# KiCad board IMXDesign.kicad_pcb (continued)
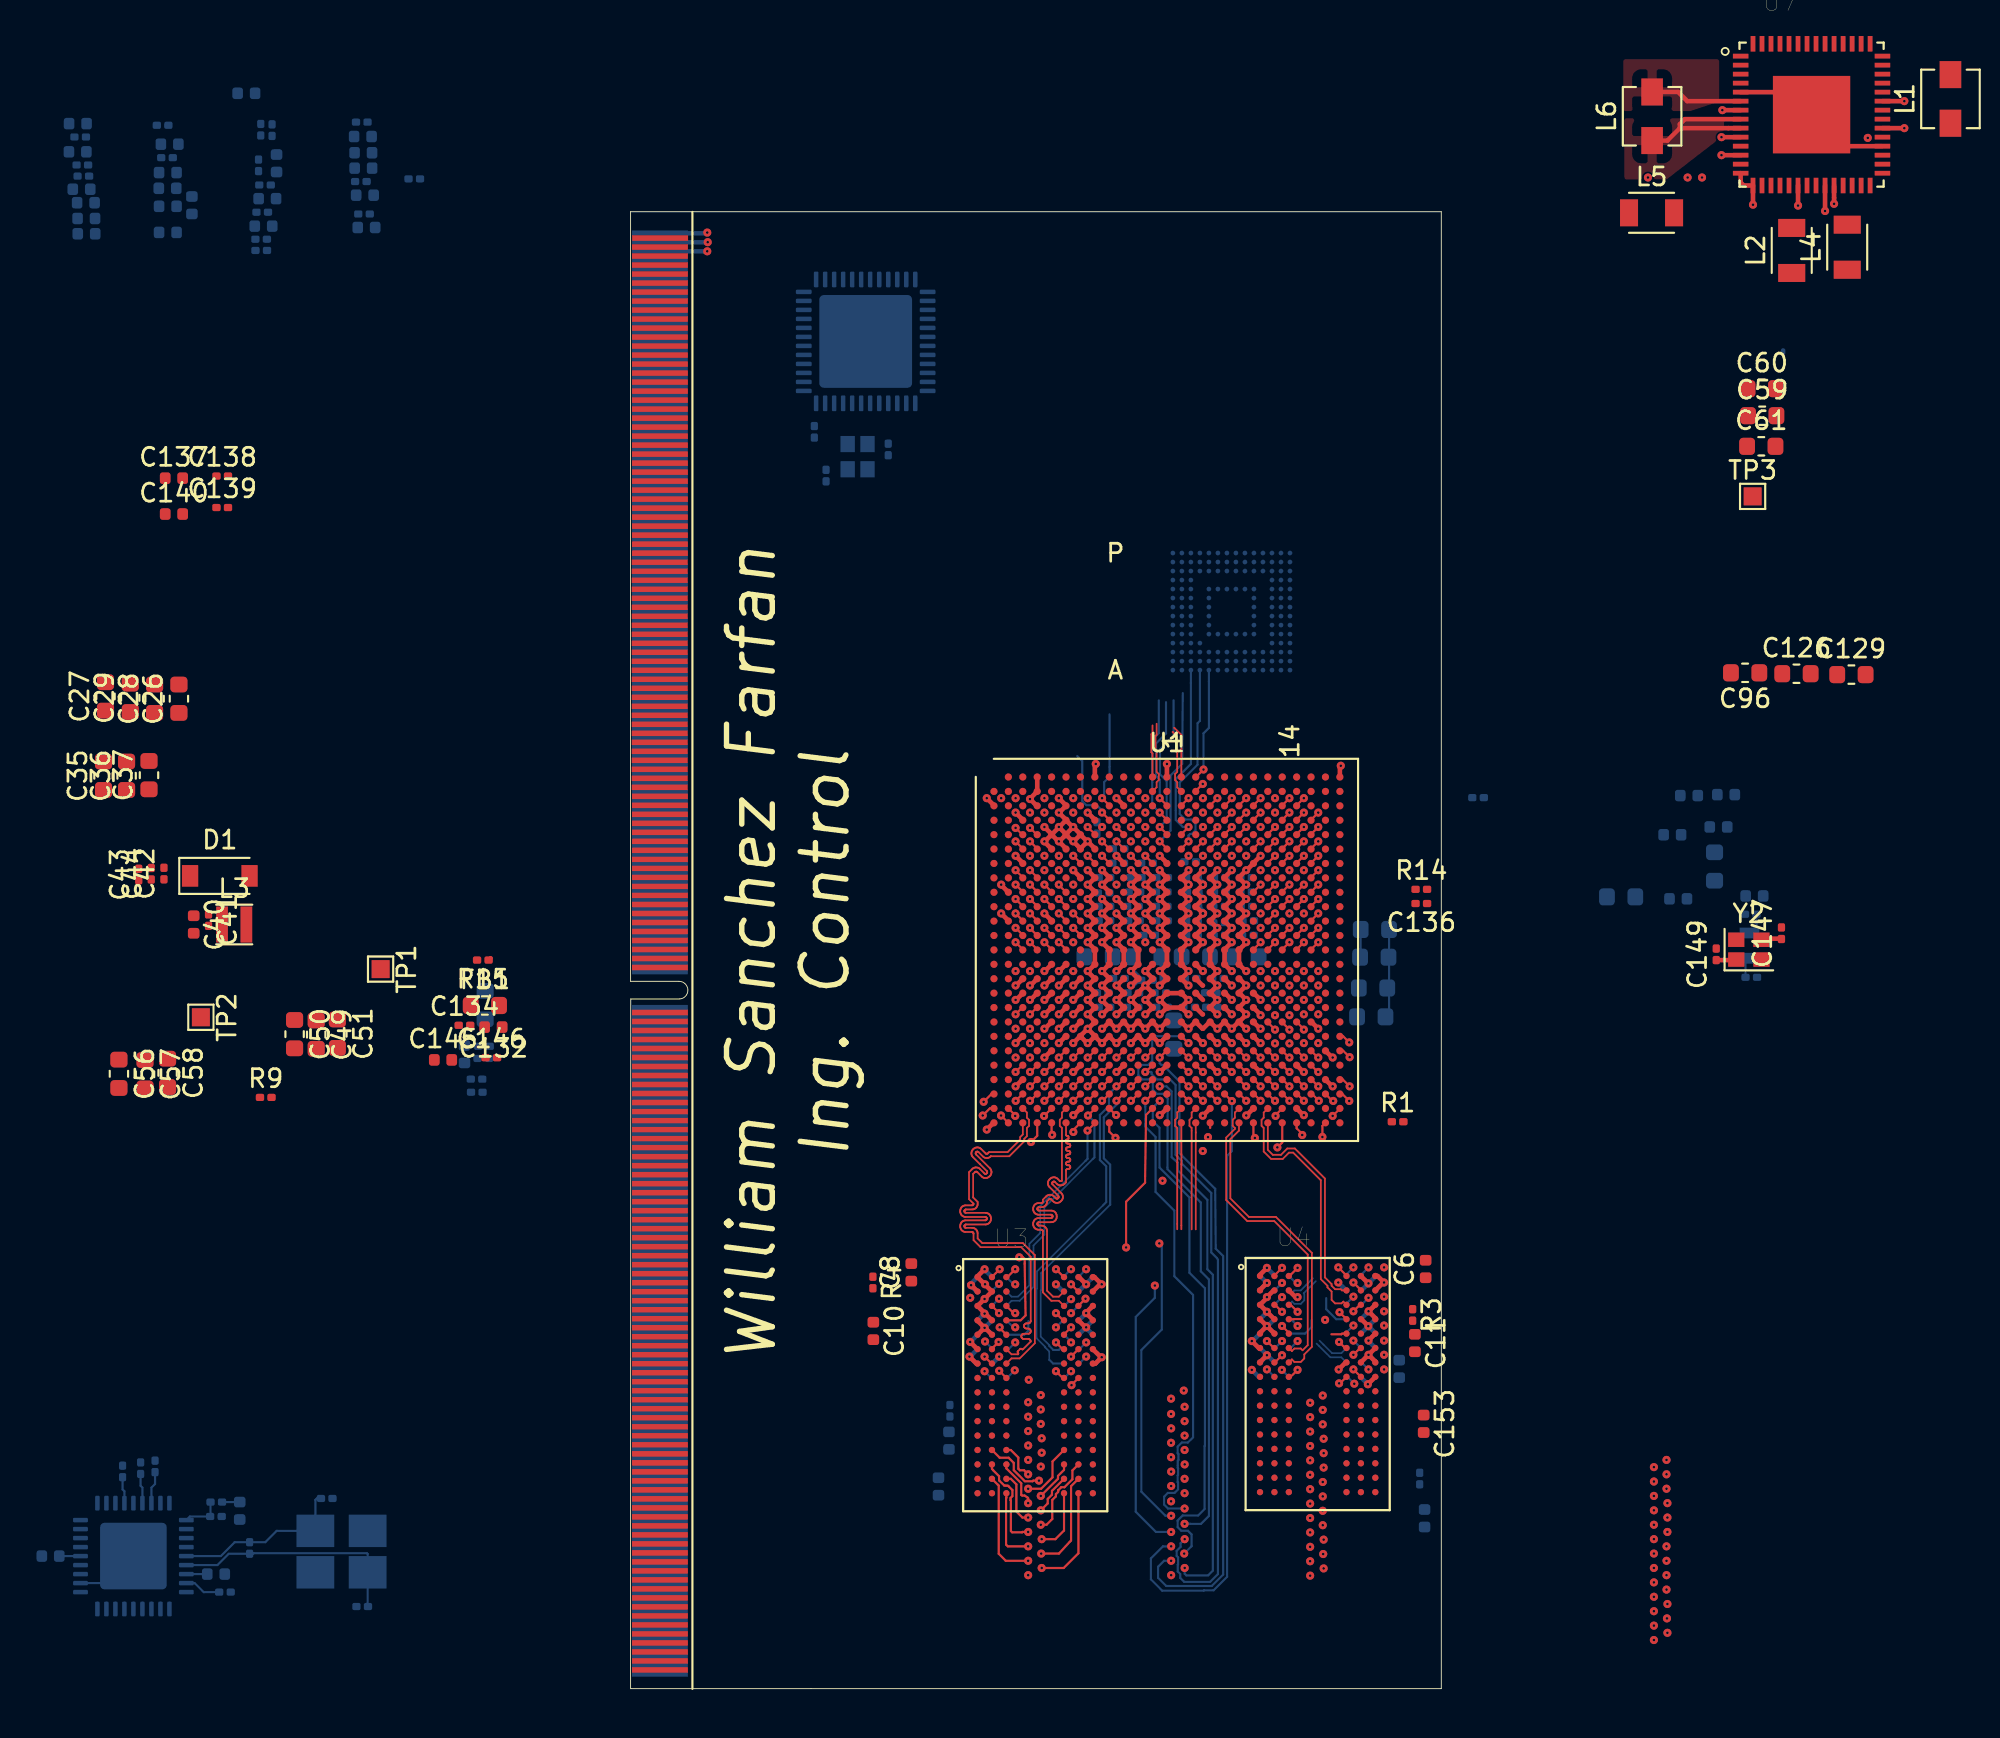
[diagram p0: board, top side]
## Routing (per net, layer and track width the routed paths; a pad name or vN(x,y) marks a point on that pad's centre or on a via; arc(x,y) is an arc through that point) (continued)
  Bottom w0.114: 40.54,21.31 40.54,21.34
  Bottom w0.119: 40.54,21.34 40.54,21.31 40.57,21.31 v1(40.96,21.7)
/DDR3_Memory/CPU_DDR3/DRAM_D56: length 26.9
  Top w0.119: U1.AB25 39.53,33.81 v1(39.91,33.44)
  In2.Cu w0.114: 39.91,33.53 v1(39.91,33.44) 39.91,33.81 39.17,34.55 38.89,34.55 38.59,34.86 38.59,35.19 38.35,35.42 37.99,35.42 37.79,35.22 37.79,32.49 37.88,32.4 37.88,30.97 37.87,30.96 37.87,30.95 37.86,30.94 37.86,30.94 37.85,30.93 37.84,30.93 37.81,30.92 37.8,30.92 37.79,30.91 37.79,30.91 37.78,30.9 37.78,30.89 37.78,30.88 37.78,30.68 37.78,30.66 37.78,30.65 37.79,30.64 37.79,30.64 37.8,30.63 37.81,30.63 37.83,30.62 37.92,30.62 37.94,30.62 37.95,30.62 37.96,30.61 37.96,30.61 37.97,30.6 37.97,30.59 37.97,30.57 37.97,30.38 37.97,30.36 37.97,30.35 37.96,30.34 37.96,30.34 37.95,30.33 37.94,30.33 37.92,30.32 37.83,30.32 37.81,30.32 37.8,30.32 37.79,30.31 37.79,30.31 37.78,30.3 37.78,30.29 37.78,30.28 37.78,30.07 37.78,30.06 37.78,30.05 37.79,30.04 37.79,30.04 37.8,30.03 37.81,30.03 37.83,30.03 37.92,30.03 37.94,30.02 37.95,30.02 37.96,30.01 37.96,30.01 37.97,30 37.97,29.99 37.97,29.97 37.97,29.78 37.97,29.76 37.97,29.75 37.96,29.74 37.96,29.74 37.95,29.73 37.94,29.73 37.92,29.72 37.83,29.72 37.81,29.72 37.8,29.72 37.79,29.71 37.79,29.71 37.78,29.7 37.78,29.69 37.78,29.68 37.78,29.47 37.78,29.46 37.78,29.45 37.79,29.44 37.79,29.44 37.8,29.43 37.81,29.43 37.83,29.43 37.92,29.43 37.94,29.42 37.95,29.42 37.96,29.41 37.96,29.41 37.97,29.4 37.97,29.39 37.97,29.38 37.97,29.18 37.97,29.16 37.97,29.15 37.96,29.14 37.96,29.14 37.95,29.13 37.94,29.13 37.92,29.12 37.83,29.12 37.81,29.12 37.8,29.12 37.79,29.11 37.79,29.11 37.78,29.1 37.78,29.09 37.78,29.07 37.78,28.88 37.78,28.86 37.78,28.85 37.79,28.84 37.79,28.84 37.8,28.83 37.81,28.83 37.83,28.82 37.92,28.82 37.94,28.82 37.95,28.82 37.96,28.81 37.96,28.81 37.97,28.8 37.97,28.79 37.97,28.78 37.97,28.57 37.97,28.56 37.97,28.55 37.96,28.54 37.96,28.54 37.95,28.53 37.94,28.53 37.92,28.53 37.83,28.53 37.81,28.52 37.8,28.52 37.79,28.51 37.79,28.51 37.78,28.5 37.78,28.49 37.78,28.47 37.78,28.28 37.78,28.26 37.78,28.25 37.79,28.24 37.79,28.24 37.8,28.23 37.81,28.23 37.83,28.22 37.92,28.22 37.94,28.22 37.95,28.22 37.96,28.21 37.96,28.21 37.97,28.2 37.97,28.19 37.97,28.18 37.97,27.97 37.97,27.96 37.97,27.95 37.96,27.94 37.96,27.94 37.95,27.93 37.94,27.93 37.92,27.93 37.83,27.93 37.81,27.92 37.8,27.92 37.79,27.91 37.79,27.91 37.78,27.9 37.78,27.89 37.78,27.88 37.78,27.68 37.78,27.66 37.78,27.65 37.79,27.64 37.79,27.64 37.8,27.63 37.81,27.63 37.83,27.62 37.92,27.62 37.94,27.62 37.95,27.62 37.96,27.61 37.96,27.61 37.97,27.6 37.97,27.59 37.97,27.57 37.97,27.38 37.97,27.36 37.97,27.35 37.96,27.34 37.96,27.34 37.95,27.33 37.94,27.33 37.92,27.32 37.83,27.32 37.81,27.32 37.8,27.32 37.79,27.31 37.79,27.31 37.78,27.3 37.78,27.29 37.78,27.28 37.78,27.07 37.78,27.06 37.78,27.05 37.79,27.04 37.79,27.04 37.8,27.03 37.81,27.03 37.83,27.03 37.92,27.03 37.94,27.02 37.95,27.02 37.96,27.01 37.96,27.01 37.97,27 37.97,26.99 37.97,26.97 37.97,26.78 37.97,26.76 37.97,26.75 37.96,26.74 37.96,26.74 37.95,26.73 37.94,26.73 37.91,26.72 37.9,26.72 37.89,26.71 37.89,26.71 37.88,26.7 37.88,26.69 37.88,26.68 37.88,26.12 38.05,25.95 38.07,25.93 38.08,25.91 38.08,25.88 38.08,25.86 38.08,25.83 38.07,25.81 38.05,25.79 38.03,25.77 38.02,25.75 38.01,25.73 38,25.71 38,25.68 38.01,25.65 38.02,25.63 38.03,25.61 38.05,25.6 38.08,25.58 38.1,25.58 38.13,25.58 38.15,25.58 38.18,25.6 38.2,25.61 38.36,25.78 38.38,25.79 38.4,25.8 38.42,25.81 38.45,25.81 38.47,25.8 38.49,25.79 38.5,25.78 38.52,25.76 38.54,25.74 38.55,25.72 38.55,25.7 38.55,25.68 38.55,25.65 38.54,25.63 38.52,25.62 38.36,25.45 38.34,25.43 38.33,25.41 38.33,25.38 38.33,25.36 38.33,25.33 38.34,25.31 38.36,25.29 38.38,25.27 38.4,25.26 38.43,25.26 38.45,25.26 38.48,25.26 38.5,25.27 38.52,25.29 38.67,25.44 38.68,25.45 38.7,25.46 38.71,25.46 38.73,25.46 38.75,25.46 38.76,25.45 38.77,25.44 38.83,25.38 38.84,25.37 38.85,25.35 38.85,25.34 38.85,25.32 38.85,25.3 38.84,25.29 38.83,25.28 38.68,25.13 38.67,25.11 38.65,25.08 38.65,25.06 38.65,25.03 38.65,25.01 38.67,24.99 38.68,24.97 38.7,24.95 38.72,24.94 38.75,24.93 38.78,24.93 38.8,24.94 38.82,24.95 38.84,24.97 38.99,25.11 39.01,25.12 39.02,25.13 39.04,25.14 39.05,25.14 39.07,25.13 39.08,25.12 39.1,25.11 39.15,25.06 39.16,25.05 39.17,25.03 39.18,25.01 39.18,25 39.17,24.98 39.16,24.97 39.15,24.95 39,24.8 38.99,24.78 38.98,24.76 38.97,24.74 38.97,24.71 38.98,24.68 38.99,24.66 39,24.64 39.02,24.63 39.05,24.61 39.07,24.61 39.1,24.61 39.12,24.61 39.15,24.63 39.17,24.64 39.18,24.66 39.2,24.67 39.22,24.68 39.25,24.69 39.28,24.69 39.3,24.68 39.32,24.67 39.34,24.66 39.66,24.34 39.66,23.28 39.94,23.01 40.23,23.01 40.5,22.73 40.5,22.37 40.3,22.17 39.94,22.17 39.74,21.96 39.74,21.58 39.94,21.38 40.26,21.38 40.5,21.13 40.5,20.68 40.35,20.53 40.35,20.39 v1(40.12,20.16)
  Bottom w0.119: 39.64,19.71 39.74,19.71 39.73,19.71 ; v1(40.12,20.16) 39.74,19.78 U5.E3
/DDR3_Memory/CPU_DDR3/DRAM_D57: length 26.2
  Top w0.119: v1(36.57,34.24) 36.55,34.24 U1.AA21
  In2.Cu w0.114: v1(36.15,17.7) 35.7,18.15 35.7,20.32 35.48,20.54 35.14,20.54 32.81,22.87 32.81,31.52 32.99,31.7 32.99,32.81 33.19,33.01 33.54,33.01 33.79,33.26 33.79,33.66 33.99,33.86 34.35,33.86 34.59,34.09 34.59,35.22 34.79,35.42 35.17,35.42 35.39,35.64 35.39,36.01 35.59,36.21 35.99,36.21 36.19,36.01 36.19,35.64 36.41,35.42 36.75,35.42 36.95,35.22 36.95,34.62 v1(36.57,34.24)
  Bottom w0.114: v1(36.15,17.7) 36.15,17.7 U5.H7 ; 36.54,17.31 36.64,17.31
/DDR3_Memory/CPU_DDR3/DRAM_D58: length 26.1
  Top w0.114: v1(39.91,35.06) 39.56,35.41 U1.Y25
  In2.Cu w0.114: 43.32,19.65 43.32,19.47 42.01,18.15 41.68,18.15 41.44,17.92 41.44,17.64 41.14,17.34 40.58,17.34 v1(40.17,16.93) ; 43.35,24.17 43.35,24.58 41.05,26.88 41.05,29.32 41.53,29.8 41.53,33.85 40.31,35.06 v1(39.91,35.06)
  In2.Cu w0.119: 43.35,24.17 43.34,23.22 43.35,23.19 43.36,23.16 43.38,23.13 43.4,23.11 43.43,23.09 43.46,23.08 43.52,23.07 43.56,23.06 43.58,23.04 43.61,23.02 43.62,22.99 43.63,22.96 43.64,22.93 43.64,22.77 43.63,22.74 43.62,22.71 43.6,22.68 43.58,22.66 43.55,22.64 43.52,22.63 43.49,22.62 43.22,22.63 43.19,22.62 43.17,22.61 43.14,22.6 43.12,22.58 43.11,22.56 43.1,22.53 43.1,22.5 43.09,22.3 43.1,22.27 43.11,22.25 43.12,22.22 43.14,22.2 43.16,22.19 43.19,22.18 43.22,22.18 43.49,22.17 43.52,22.17 43.55,22.16 43.58,22.14 43.6,22.12 43.62,22.09 43.63,22.06 43.63,22.03 43.63,21.87 43.63,21.84 43.62,21.81 43.6,21.78 43.58,21.76 43.55,21.74 43.52,21.73 43.48,21.72 43.24,21.73 43.22,21.72 43.2,21.72 43.18,21.71 43.16,21.69 43.15,21.67 43.14,21.65 43.14,21.63 43.14,21.37 43.14,21.35 43.15,21.33 43.16,21.31 43.18,21.3 43.19,21.29 43.21,21.28 43.24,21.28 43.48,21.27 43.51,21.27 43.55,21.26 43.57,21.24 43.6,21.22 43.61,21.19 43.62,21.16 43.63,21.13 43.63,20.97 43.62,20.94 43.61,20.91 43.59,20.88 43.57,20.86 43.54,20.84 43.51,20.83 43.48,20.82 43.23,20.83 43.21,20.82 43.19,20.82 43.17,20.81 43.16,20.79 43.15,20.77 43.14,20.75 43.14,20.73 43.13,20.47 43.14,20.45 43.14,20.43 43.16,20.41 43.17,20.4 43.19,20.39 43.21,20.38 43.23,20.38 43.33,20.38 43.33,20.37 43.48,20.37 43.51,20.37 43.54,20.36 43.57,20.34 43.59,20.32 43.61,20.29 43.62,20.26 43.62,20.22 43.62,20.07 43.62,20.04 43.61,20.01 43.59,19.98 43.57,19.95 43.54,19.94 43.51,19.93 43.44,19.92 43.41,19.91 43.38,19.89 43.36,19.87 43.34,19.84 43.33,19.81 43.33,19.78 43.32,19.65
  Bottom w0.119: v1(40.17,16.93) 39.79,17.31 39.69,17.31
/DDR3_Memory/CPU_DDR3/DRAM_D59: length 27.2
  Top w0.119: v1(35.32,17.72) 35.35,17.72 ; U1.Y22 37,35.41 v1(37.37,35.04)
  In2.Cu w0.114: v1(35.32,17.72) 34.94,18.11 34.94,19.41 34.67,19.67 34.67,20.47 32.4,22.75 32.42,31.05 32.19,31.29 32.19,32.82 32.41,33.05 32.53,33.05 32.85,33.02 32.95,33.13 32.95,33.62 33.15,33.82 33.52,33.82 33.79,34.09 33.79,35.22 33.99,35.42 34.32,35.42 34.55,35.66 34.55,36.02 34.75,36.22 35.12,36.22 35.35,36.46 35.35,36.74 35.59,36.97 35.95,36.97 36.15,36.77 36.15,36.41 36.35,36.21 36.75,36.21 36.95,36.01 36.95,35.64 37.37,35.22 v1(37.37,35.04) 37.37,35.11
  Bottom w0.114: v1(35.32,17.72) 35.73,17.31 35.74,17.31
/DDR3_Memory/CPU_DDR3/DRAM_D60: length 26
  Top w0.119: U1.AB23 37.8,33.81 v1(38.17,33.44)
  In2.Cu w0.114: v1(38.17,33.44) 38.17,33.24 38.59,32.82 38.59,31.46 38.78,31.27 38.78,31.01 38.79,30.97 38.8,30.94 38.81,30.91 38.84,30.89 38.87,30.87 38.9,30.86 38.93,30.86 38.97,30.86 39,30.85 39.04,30.84 39.06,30.82 39.09,30.8 39.11,30.77 39.12,30.74 39.12,30.71 39.12,30.67 39.11,30.64 39.09,30.61 39.06,30.59 39.04,30.57 39,30.56 38.97,30.56 38.93,30.56 38.9,30.55 38.87,30.54 38.84,30.52 38.81,30.5 38.8,30.47 38.79,30.44 38.78,30.41 38.78,29.83 38.75,29.8 38.75,29.77 38.74,29.73 38.72,29.71 38.69,29.68 38.67,29.66 38.63,29.65 38.6,29.65 38.56,29.65 38.53,29.65 38.5,29.64 38.47,29.62 38.44,29.59 38.43,29.57 38.42,29.53 38.41,29.5 38.42,29.47 38.43,29.43 38.44,29.41 38.47,29.38 38.5,29.36 38.53,29.35 38.56,29.35 38.94,29.35 38.97,29.35 39,29.34 39.03,29.32 39.06,29.29 39.07,29.27 39.08,29.23 39.09,29.2 39.08,29.17 39.07,29.13 39.06,29.11 39.03,29.08 39,29.06 38.97,29.05 38.94,29.05 38.56,29.05 38.53,29.05 38.5,29.04 38.47,29.02 38.44,28.99 38.43,28.97 38.42,28.93 38.41,28.9 38.42,28.87 38.43,28.83 38.44,28.81 38.47,28.78 38.5,28.76 38.53,28.75 38.56,28.75 38.8,28.75 38.81,28.75 38.82,28.75 38.83,28.74 38.84,28.73 38.85,28.72 38.85,28.71 38.85,28.7 38.85,28.5 38.85,28.49 38.85,28.48 38.84,28.47 38.83,28.46 38.82,28.45 38.81,28.45 38.8,28.45 38.56,28.45 38.53,28.45 38.5,28.44 38.47,28.42 38.44,28.39 38.43,28.37 38.42,28.33 38.41,28.3 38.42,28.27 38.43,28.23 38.44,28.21 38.47,28.18 38.5,28.16 38.53,28.15 38.56,28.15 38.8,28.15 38.81,28.15 38.82,28.15 38.83,28.14 38.84,28.13 38.85,28.12 38.85,28.11 38.85,28.1 38.85,27.9 38.85,27.89 38.85,27.88 38.84,27.87 38.83,27.86 38.82,27.85 38.81,27.85 38.8,27.85 38.56,27.85 38.53,27.85 38.5,27.84 38.47,27.82 38.44,27.79 38.43,27.77 38.42,27.73 38.41,27.7 38.42,27.67 38.43,27.63 38.44,27.61 38.47,27.58 38.5,27.56 38.53,27.55 38.56,27.55 38.8,27.55 38.81,27.55 38.82,27.55 38.83,27.54 38.84,27.53 38.85,27.52 38.85,27.51 38.85,27.5 38.85,27.3 38.85,27.29 38.85,27.28 38.84,27.27 38.83,27.26 38.82,27.25 38.81,27.25 38.8,27.25 38.56,27.25 38.53,27.25 38.5,27.24 38.47,27.22 38.44,27.19 38.43,27.17 38.42,27.13 38.41,27.1 38.42,27.07 38.43,27.03 38.44,27.01 38.47,26.98 38.5,26.96 38.53,26.95 38.56,26.95 38.8,26.95 38.81,26.95 38.82,26.95 38.83,26.94 38.84,26.93 38.85,26.92 38.85,26.91 38.85,26.9 38.85,26.7 38.85,26.69 38.85,26.68 38.84,26.67 38.83,26.66 38.82,26.65 38.81,26.65 38.8,26.65 38.56,26.65 38.53,26.65 38.5,26.64 38.47,26.62 38.44,26.59 38.43,26.57 38.42,26.53 38.41,26.5 38.42,26.47 38.43,26.43 38.44,26.41 38.47,26.38 38.5,26.36 38.53,26.35 38.56,26.35 38.6,26.35 38.63,26.35 38.67,26.34 38.69,26.32 38.72,26.29 38.74,26.27 38.75,26.23 38.75,26.2 38.75,25.8 40.5,24.05 40.5,23.27 40.89,22.88 41.14,22.88 41.34,22.68 41.34,20.77 41.08,20.51 40.77,20.51 40.57,20.31 40.57,20.04 40.29,19.77 40,19.77 39.91,19.68 36.54,19.68 v1(36.16,19.3)
  Bottom w0.114: 35.74,18.91 35.77,18.91 v1(36.16,19.3)
  Bottom w0.119: 35.74,18.91 35.76,18.91
/DDR3_Memory/CPU_DDR3/DRAM_D61: length 26.7
  Top w0.119: v1(38.17,34.24) 38.14,34.24 U1.AA23
  In2.Cu w0.114: v1(38.17,34.24) 38.17,33.93 38.28,33.82 38.35,33.82 38.59,33.59 38.59,33.26 38.83,33.01 39.18,33.01 39.42,32.77 39.42,32.2 39.65,31.97 39.65,31.2 39.65,31.19 39.65,31.18 39.66,31.17 39.67,31.16 39.68,31.15 39.69,31.15 39.71,31.15 39.72,31.15 39.73,31.14 39.74,31.13 39.75,31.12 39.75,31.11 39.75,31.1 39.75,30.75 39.75,30.74 39.75,30.73 39.74,30.72 39.73,30.71 39.72,30.7 39.71,30.7 39.7,30.7 39.6,30.7 39.59,30.7 39.58,30.7 39.57,30.69 39.56,30.68 39.55,30.67 39.55,30.66 39.55,30.65 39.55,30.3 39.55,30.29 39.55,30.28 39.56,30.27 39.57,30.26 39.58,30.25 39.59,30.25 39.6,30.25 39.7,30.25 39.71,30.25 39.72,30.25 39.73,30.24 39.74,30.23 39.75,30.22 39.75,30.21 39.75,30.2 39.75,29.85 39.75,29.84 39.75,29.83 39.74,29.82 39.73,29.81 39.72,29.8 39.71,29.8 39.69,29.8 39.68,29.8 39.67,29.79 39.66,29.78 39.65,29.77 39.65,29.76 39.65,29.75 39.65,29.52 39.4,29.27 39.4,28.84 39.4,28.82 39.41,28.81 39.42,28.79 39.43,28.78 39.44,28.77 39.46,28.77 39.49,28.76 39.51,28.76 39.52,28.75 39.53,28.74 39.54,28.72 39.55,28.71 39.55,28.69 39.55,28.61 39.55,28.59 39.54,28.58 39.53,28.56 39.52,28.55 39.51,28.54 39.49,28.54 39.47,28.54 39.21,28.54 39.19,28.53 39.16,28.52 39.14,28.51 39.12,28.49 39.11,28.47 39.1,28.45 39.1,28.42 39.1,28.4 39.11,28.37 39.12,28.35 39.14,28.33 39.16,28.32 39.19,28.31 39.21,28.31 39.47,28.31 39.49,28.31 39.51,28.3 39.52,28.29 39.53,28.28 39.54,28.26 39.55,28.25 39.55,28.23 39.55,28.15 39.55,28.14 39.54,28.12 39.53,28.11 39.52,28.1 39.51,28.09 39.49,28.08 39.47,28.08 39.21,28.08 39.19,28.08 39.16,28.07 39.14,28.05 39.12,28.04 39.11,28.01 39.1,27.99 39.1,27.96 39.1,27.94 39.11,27.91 39.12,27.89 39.14,27.88 39.16,27.86 39.19,27.85 39.21,27.85 39.47,27.85 39.49,27.85 39.51,27.84 39.52,27.83 39.53,27.82 39.54,27.81 39.55,27.79 39.55,27.78 39.55,27.7 39.55,27.68 39.54,27.66 39.53,27.65 39.52,27.64 39.51,27.63 39.49,27.62 39.47,27.62 39.21,27.62 39.19,27.62 39.16,27.61 39.14,27.6 39.12,27.58 39.11,27.56 39.1,27.53 39.1,27.51 39.1,27.48 39.11,27.46 39.12,27.44 39.14,27.42 39.16,27.4 39.19,27.4 39.21,27.39 39.47,27.39 39.49,27.39 39.51,27.39 39.52,27.38 39.53,27.36 39.54,27.35 39.55,27.33 39.55,27.32 39.55,27.24 39.55,27.22 39.54,27.21 39.53,27.19 39.52,27.18 39.51,27.17 39.49,27.17 39.47,27.16 39.16,27.16 39.14,27.16 39.11,27.15 39.09,27.14 39.07,27.12 39.06,27.1 39.05,27.08 39.05,27.05 39.05,27.02 39.06,27 39.07,26.98 39.09,26.96 39.11,26.95 39.14,26.94 39.16,26.94 39.47,26.94 39.49,26.93 39.51,26.93 39.52,26.92 39.53,26.91 39.54,26.89 39.55,26.88 39.55,26.86 39.55,26.78 39.55,26.77 39.54,26.75 39.53,26.74 39.52,26.72 39.51,26.71 39.49,26.71 39.47,26.71 39.16,26.71 39.14,26.7 39.11,26.7 39.09,26.68 39.07,26.66 39.06,26.64 39.05,26.62 39.05,26.59 39.05,26.57 39.06,26.54 39.07,26.52 39.09,26.5 39.11,26.49 39.14,26.48 39.16,26.48 39.47,26.48 39.49,26.48 39.51,26.47 39.52,26.46 39.53,26.45 39.54,26.44 39.55,26.42 39.55,26.4 39.55,26.32 39.55,26.31 39.54,26.29 39.53,26.28 39.52,26.27 39.51,26.26 39.49,26.25 39.46,26.25 39.44,26.24 39.43,26.23 39.42,26.22 39.41,26.21 39.4,26.19 39.4,26.18 39.4,25.72 39.74,25.38 39.75,25.37 39.76,25.35 39.76,25.34 39.76,25.32 39.76,25.3 39.75,25.29 39.73,25.26 39.73,25.25 39.72,25.23 39.72,25.21 39.73,25.2 39.73,25.18 39.74,25.17 39.85,25.06 39.86,25.05 39.88,25.05 39.89,25.04 39.91,25.04 39.93,25.05 39.94,25.05 39.96,25.06 40.15,25.26 40.18,25.28 40.21,25.29 40.24,25.3 40.27,25.3 40.31,25.29 40.34,25.28 40.36,25.26 40.38,25.23 40.4,25.2 40.4,25.17 40.4,25.14 40.4,25.1 40.38,25.07 40.36,25.05 40.17,24.85 40.16,24.84 40.15,24.82 40.15,24.81 40.15,24.79 40.15,24.77 40.16,24.76 40.17,24.75 40.27,24.64 40.29,24.63 40.3,24.62 40.32,24.62 40.33,24.62 40.35,24.62 40.37,24.63 40.38,24.64 40.57,24.83 40.6,24.85 40.63,24.87 40.66,24.88 40.7,24.88 40.73,24.87 40.76,24.85 40.79,24.83 40.81,24.81 40.82,24.78 40.83,24.74 40.83,24.71 40.82,24.68 40.81,24.65 40.79,24.62 40.59,24.43 40.58,24.41 40.57,24.4 40.57,24.38 40.57,24.37 40.57,24.35 40.58,24.33 40.59,24.32 40.7,24.22 40.71,24.2 40.73,24.2 40.74,24.19 40.76,24.19 40.78,24.2 40.79,24.2 40.8,24.22 41,24.41 41.02,24.43 41.05,24.45 41.09,24.45 41.12,24.45 41.15,24.45 41.18,24.43 41.21,24.41 41.23,24.38 41.25,24.35 41.25,24.32 41.25,24.29 41.25,24.25 41.23,24.22 41.21,24.2 41.17,24.16 41.15,24.14 41.14,24.11 41.13,24.07 41.13,24.04 41.14,24.01 41.15,23.98 41.17,23.95 41.44,23.68 41.44,23.13 41.64,22.93 42.01,22.93 42.2,22.73 42.2,20.77 42.01,20.57 41.59,20.57 41.33,20.31 41.33,19.94 41.1,19.71 40.78,19.71 40.62,19.55 40.35,19.55 v1(40.12,19.32)
  Bottom w0.119: 40.54,18.91 40.53,18.91 v1(40.12,19.32) 40.12,19.38
/DDR3_Memory/CPU_DDR3/DRAM_D62: length 26.1
  Top w0.119: v1(38.17,35.04) 38.14,35.04 U1.Y23
  In2.Cu w0.114: v1(38.17,35.04) 38.17,34.88 39.35,33.7 39.35,33.43 39.77,33.01 40.07,33.01 40.28,32.81 40.28,29.85 40,29.57 40,26.25 40.44,25.81 40.45,25.8 40.46,25.8 40.48,25.79 40.49,25.79 40.51,25.8 40.52,25.8 40.55,25.82 40.56,25.83 40.58,25.83 40.59,25.83 40.61,25.83 40.62,25.82 40.63,25.81 40.75,25.7 40.76,25.69 40.76,25.67 40.77,25.66 40.77,25.64 40.76,25.63 40.76,25.61 40.75,25.6 40.65,25.5 40.64,25.49 40.63,25.48 40.63,25.46 40.63,25.45 40.63,25.43 40.64,25.42 40.65,25.4 40.76,25.29 40.78,25.28 40.79,25.27 40.81,25.27 40.82,25.27 40.84,25.27 40.85,25.28 40.86,25.29 40.96,25.39 40.97,25.4 40.99,25.4 41,25.41 41.02,25.41 41.03,25.4 41.05,25.4 41.06,25.39 41.17,25.27 41.18,25.26 41.19,25.25 41.19,25.23 41.19,25.22 41.19,25.2 41.18,25.19 41.17,25.18 41.07,25.08 41.06,25.07 41.06,25.05 41.05,25.04 41.05,25.02 41.06,25.01 41.06,24.99 41.07,24.98 41.19,24.87 41.2,24.86 41.21,24.85 41.23,24.85 41.25,24.85 41.26,24.85 41.27,24.86 41.29,24.87 41.38,24.96 41.4,24.97 41.41,24.98 41.43,24.98 41.44,24.98 41.46,24.98 41.47,24.97 41.48,24.96 41.6,24.85 41.61,24.84 41.61,24.82 41.62,24.81 41.62,24.79 41.61,24.78 41.61,24.76 41.6,24.75 41.5,24.65 41.49,24.64 41.48,24.63 41.48,24.61 41.48,24.6 41.48,24.58 41.49,24.57 41.5,24.56 41.61,24.44 41.63,24.43 41.64,24.42 41.65,24.42 41.67,24.42 41.68,24.42 41.7,24.43 41.71,24.44 41.76,24.49 41.76,24.49 41.81,24.54 41.82,24.54 41.84,24.55 41.85,24.55 41.87,24.55 41.88,24.55 41.9,24.54 41.91,24.54 42.03,24.42 42.03,24.41 42.04,24.39 42.04,24.38 42.04,24.36 42.04,24.35 42.03,24.34 42.02,24.31 42.01,24.3 42.01,24.28 42.01,24.27 42.01,24.25 42.02,24.24 42.03,24.22 42.5,23.75 42.5,20.27 41.93,19.71 41.54,19.71 41.34,19.51 41.34,19.14 41.14,18.94 39.94,18.94 39.86,18.87 37.45,18.87 v1(37.02,19.3)
  Bottom w0.119: v1(37.02,19.3) 36.64,18.91 36.54,18.91
/DDR3_Memory/CPU_DDR3/DRAM_D63: length 26
  Top w0.114: v1(39.89,35.88) 39.56,36.22 U1.W25
  In2.Cu w0.114: v1(40.96,17.72) 40.96,18.04 41.05,18.13 41.12,18.13 41.35,18.36 41.34,18.37 41.34,18.64 41.64,18.94 42.01,18.94 42.87,19.81 42.87,24.23 42.6,24.5 42.59,24.51 42.59,24.52 42.59,24.53 42.59,24.54 42.59,24.55 42.59,24.56 42.61,24.58 42.61,24.59 42.61,24.6 42.61,24.61 42.61,24.62 42.61,24.63 42.6,24.64 42.49,24.75 42.49,24.75 42.48,24.76 42.46,24.76 42.45,24.76 42.44,24.76 42.43,24.75 42.42,24.75 42.35,24.68 42.34,24.67 42.33,24.66 42.32,24.66 42.31,24.66 42.3,24.66 42.29,24.67 42.28,24.68 42.18,24.78 42.17,24.79 42.16,24.8 42.16,24.81 42.16,24.82 42.16,24.83 42.17,24.84 42.18,24.85 42.25,24.92 42.25,24.93 42.26,24.94 42.26,24.95 42.26,24.97 42.26,24.98 42.25,24.99 42.25,24.99 42.14,25.1 42.13,25.11 42.12,25.11 42.11,25.12 42.1,25.12 42.09,25.11 42.08,25.11 42.07,25.1 42,25.03 41.99,25.02 41.98,25.02 41.97,25.02 41.96,25.02 41.95,25.02 41.94,25.02 41.93,25.03 41.82,25.14 41.82,25.15 41.81,25.16 41.81,25.17 41.81,25.18 41.81,25.19 41.82,25.2 41.82,25.21 41.89,25.28 41.9,25.29 41.9,25.3 41.91,25.31 41.91,25.32 41.9,25.33 41.9,25.34 41.89,25.35 41.79,25.45 41.78,25.46 41.77,25.47 41.76,25.47 41.75,25.47 41.73,25.47 41.72,25.46 41.72,25.45 41.65,25.38 41.64,25.38 41.63,25.37 41.62,25.37 41.6,25.37 41.59,25.37 41.58,25.38 41.57,25.38 41.47,25.49 41.46,25.5 41.46,25.51 41.45,25.52 41.45,25.53 41.46,25.54 41.46,25.55 41.47,25.56 41.54,25.63 41.55,25.64 41.55,25.65 41.55,25.66 41.55,25.67 41.55,25.68 41.55,25.69 41.54,25.7 41.43,25.81 41.42,25.82 41.41,25.82 41.4,25.82 41.39,25.82 41.38,25.82 41.37,25.82 41.36,25.81 41.29,25.74 41.28,25.73 41.27,25.73 41.26,25.72 41.25,25.72 41.24,25.73 41.23,25.73 41.22,25.74 41.12,25.84 41.11,25.85 41.1,25.86 41.1,25.87 41.1,25.88 41.1,25.9 41.11,25.91 41.12,25.91 41.19,25.98 41.19,25.99 41.2,26 41.2,26.01 41.2,26.03 41.2,26.04 41.19,26.05 41.19,26.06 41.08,26.16 41.07,26.17 41.06,26.17 41.05,26.18 41.04,26.18 41.03,26.17 41.02,26.17 41.01,26.16 40.94,26.09 40.93,26.08 40.92,26.08 40.91,26.08 40.9,26.08 40.89,26.08 40.88,26.08 40.87,26.09 40.76,26.2 40.75,26.21 40.75,26.22 40.75,26.23 40.75,26.24 40.75,26.25 40.75,26.26 40.77,26.28 40.77,26.29 40.78,26.3 40.78,26.31 40.77,26.32 40.77,26.33 40.76,26.34 40.44,26.66 40.44,27.44 40.44,27.45 40.44,27.46 40.45,27.47 40.45,27.48 40.46,27.48 40.47,27.49 40.5,27.49 40.51,27.49 40.52,27.5 40.52,27.51 40.53,27.52 40.53,27.53 40.54,27.54 40.54,27.69 40.53,27.7 40.53,27.71 40.52,27.72 40.52,27.73 40.51,27.73 40.5,27.74 40.49,27.74 40.39,27.74 40.37,27.74 40.36,27.74 40.35,27.75 40.35,27.76 40.34,27.77 40.34,27.78 40.34,27.79 40.34,27.94 40.34,27.95 40.34,27.96 40.35,27.97 40.35,27.98 40.36,27.98 40.37,27.99 40.39,27.99 40.49,27.99 40.5,27.99 40.51,27.99 40.52,28 40.52,28.01 40.53,28.02 40.53,28.03 40.54,28.04 40.54,28.19 40.53,28.2 40.53,28.21 40.52,28.22 40.52,28.23 40.51,28.23 40.5,28.24 40.49,28.24 40.39,28.24 40.37,28.24 40.36,28.24 40.35,28.25 40.35,28.26 40.34,28.27 40.34,28.28 40.34,28.29 40.34,28.44 40.34,28.45 40.34,28.46 40.35,28.47 40.35,28.48 40.36,28.48 40.37,28.49 40.39,28.49 40.49,28.49 40.5,28.49 40.51,28.49 40.52,28.5 40.52,28.51 40.53,28.52 40.53,28.53 40.54,28.54 40.54,28.69 40.53,28.7 40.53,28.71 40.52,28.72 40.52,28.73 40.51,28.73 40.5,28.74 40.47,28.74 40.46,28.74 40.45,28.75 40.45,28.76 40.44,28.77 40.44,28.78 40.44,28.79 40.44,29.31 40.9,29.78 40.9,30.23 40.91,30.24 40.91,30.26 40.92,30.27 40.93,30.29 40.95,30.3 40.96,30.3 41,30.3 41.01,30.31 41.03,30.32 41.04,30.33 41.05,30.34 41.05,30.36 41.05,30.38 41.06,30.58 41.05,30.59 41.05,30.61 41.04,30.62 41.03,30.64 41.01,30.64 41,30.65 40.98,30.65 40.83,30.65 40.81,30.66 40.8,30.66 40.78,30.67 40.77,30.68 40.76,30.7 40.76,30.71 40.76,30.73 40.76,30.93 40.76,30.95 40.77,30.96 40.77,30.98 40.79,30.99 40.8,31 40.82,31 40.83,31 40.98,31 41,31 41.02,31.01 41.03,31.02 41.04,31.03 41.05,31.04 41.06,31.06 41.06,31.08 41.06,31.28 41.06,31.29 41.05,31.31 41.04,31.32 41.03,31.34 41.02,31.34 41,31.35 40.99,31.35 40.84,31.35 40.82,31.36 40.8,31.36 40.79,31.37 40.78,31.38 40.77,31.4 40.76,31.41 40.76,31.43 40.76,31.63 40.76,31.65 40.77,31.66 40.78,31.68 40.79,31.69 40.81,31.7 40.82,31.7 40.84,31.7 40.99,31.7 41.01,31.7 41.02,31.71 41.04,31.72 41.05,31.73 41.06,31.74 41.06,31.76 41.06,31.78 41.07,31.98 41.06,31.99 41.06,32.01 41.05,32.02 41.04,32.04 41.02,32.04 41.01,32.05 40.99,32.05 40.84,32.05 40.82,32.06 40.81,32.06 40.79,32.07 40.78,32.08 40.77,32.1 40.77,32.11 40.77,32.13 40.77,32.33 40.77,32.35 40.78,32.36 40.78,32.38 40.8,32.39 40.81,32.4 40.83,32.4 40.86,32.41 40.88,32.41 40.89,32.42 40.9,32.43 40.91,32.45 40.92,32.46 40.92,32.48 40.92,33.38 39.53,34.77 39.53,35.52 v1(39.89,35.88)
  Bottom w0.119: v1(40.96,17.72) 40.57,18.11 40.54,18.11
